# Allegro board AWR1243BOOST-Rev-A.brd (continued)
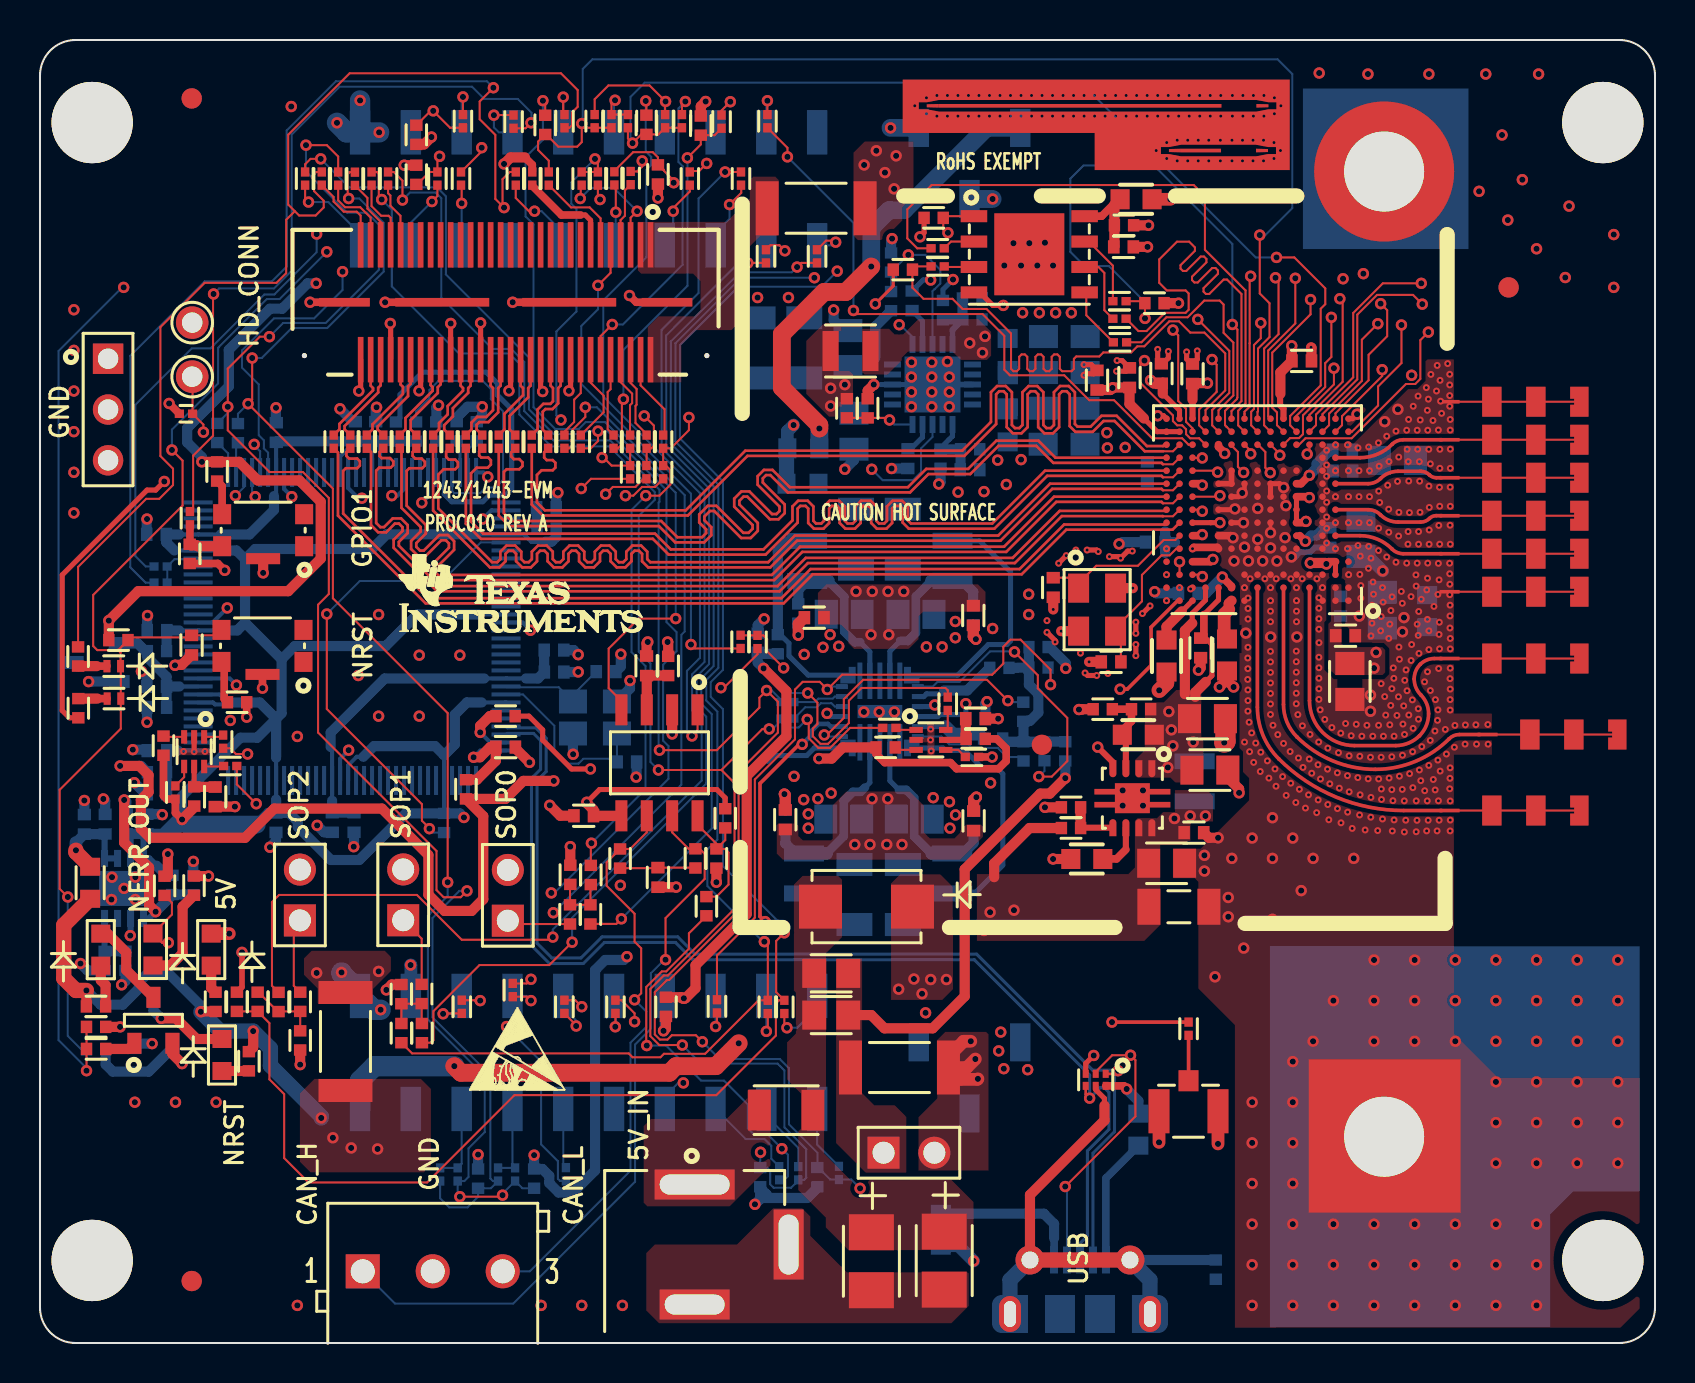
[diagram p0: board, top side]
## Routing (per net, layer and track width the routed paths; a pad name or vN(x,y) marks a point on that pad's centre or on a via; arc(x,y) is an arc through that point) (continued)
AR_SPICLK1: length 44.7
  TOP w0.102: v1(37.19,33.76) 36.37,34.58 36.37,35.19 36.18,35.38 R76.1 35.04,35.38 R75.1 ; U2.R9 60.24,46.45 60.24,46.56 60.5,46.82 60.5,49.99 60.5,49.99 60.5,53.29 v1(60.55,53.34)
  L4 w0.127: v1(37.19,33.76) 36.87,34.07 36.87,37.71 40.33,41.16 41.83,41.16 47.42,46.75 49.24,46.75 54.62,52.12 55.62,52.12 56.84,53.34 v1(60.55,53.34)
AR_SYNC_IN: length 87.2
  TOP w0.102: v1(60.2,43.53) 59.91,43.81 59.91,44.55 59.59,44.87 U2.N10 ; R62.2 26.47,44.74 26.64,44.91 26.64,45.67 27.27,46.3 v1(27.27,46.79)
  L3 w0.127: v1(60.2,43.53) 59.89,43.84 59.89,44.74 59.21,45.42 54.96,45.42 54.22,46.15 48.12,46.15 46.8,44.83 37.36,44.83 34.77,47.42 29.85,47.42 29.44,47.83 28.32,47.83 v1(27.27,46.79)
  L4 w0.127: v1(25.67,21.51) 23.34,19.18 v1(23.34,15.82)
  BOTTOM w0.102: v1(25.67,21.51) 32.07,27.91 32.07,35.41 32.24,35.58 32.24,42.39 27.85,46.79 v1(27.27,46.79) ; v1(23.34,15.82) 23.34,15.8 25.06,14.07 25.06,9.93 25.9,9.09 25.9,8.21 26,8.11 R165.1
AR_SYNC_OUT_SOP1: length 95
  TOP w0.102: v1(57.91,51.18) 59.48,49.61 59.48,47.5 58.62,46.65 58.62,45.88 U2.P11 ; v1(36.23,20.07) 36.4,19.89 R108.2 35.94,17.13 33.26,14.46 31.21,14.46 31.03,14.29 29.64,14.29 29.44,14.48 18.61,14.48 R113.1
  L3 w0.127: v1(57.91,51.18) 57.74,51.35 56.69,51.35 55.64,52.39 55.13,52.39 54.75,52.77 54.75,53.71 51.56,56.91 49.32,56.91 46.27,53.86 43.98,53.86 43.89,53.77 43.01,53.77 42.07,54.71 40.58,54.71 40.13,54.25 39.63,54.25 38.73,53.35 v1(38.73,53.26)
  BOTTOM w0.102: v1(36.23,20.07) 36.16,20.07 33.38,22.85 33.38,24.67 33.88,25.17 33.88,31.57 33.32,32.13 33.32,33.15 33.93,33.76 33.93,42.93 31.78,45.08 31.78,49.98 35.06,53.26 v1(38.73,53.26)
AR_TCK: length 33.2
  TOP w0.102: U2.M13 57.65,44.25 v1(58.13,44.25) ; v1(30.22,46.35) 30.7,45.87 30.7,44.86 30.57,44.74 R66.2 30.34,43.88 R70.1
  L3 w0.127: v1(58.13,44.25) 56.13,44.25 56,44.12 51.56,44.12 50.87,44.81 47.13,44.81 46.91,44.58 37.26,44.58 34.67,47.17 31.03,47.17 v1(30.22,46.35)
AR_TDI: length 51.2
  TOP w0.102: R29.1 R30.1 27.9,59.07 27.8,59.17 27.77,59.17 27.77,59.21 v1(27.76,59.21) ; U2.H13 58.05,41.67 v1(58.13,41.59)
  L3 w0.127: v1(26.05,46.15) 26.05,45.43 27.87,43.61 35.66,43.61 38.4,40.87 51.5,40.87 52.24,41.61 56.86,41.61 56.88,41.59 v1(58.13,41.59)
  BOTTOM w0.102: v1(26.05,46.15) 25.83,46.38 25.83,50.57 26.83,51.58 26.83,56.7 26.57,56.96 26.57,58.02 v1(27.76,59.21)
AR_TDO_SOP0: length 56.6
  TOP w0.102: v1(27.58,24.99) 27.55,24.96 R89.1 ; v1(59.01,42.37) 58.96,42.32 U2.J13 ; v1(30.3,42.37) 30.98,42.37 31.53,42.92 31.53,43.65 31.31,43.87 R71.1 31.17,43.87 R67.2 31.55,44.74 32.45,45.64 v1(32.45,46.28)
  L3 w0.127: v1(32.45,46.28) 33.42,46.28 38.58,41.12 51.12,41.12 52.26,42.26 58.9,42.26 v1(59.01,42.37)
  BOTTOM w0.102: v1(27.58,24.99) 30.28,27.7 30.28,33.84 29.58,34.54 29.58,41.66 v1(30.3,42.37)
AR_TMS: length 38.8
  TOP w0.102: R65.2 R69.1 28.59,43.87 28.19,44.27 v1(28.11,44.27) ; v1(58.9,43.54) 58.82,43.62 U2.L13
  L3 w0.127: v1(28.11,44.27) 29.55,44.27 32.19,46.92 33.27,46.92 38.81,41.38 50.84,41.38 52.2,42.74 56.97,42.74 57.78,43.54 v1(58.9,43.54)
AR_VBGAP: length 2.3
  TOP w0.381: U2.B10 59.59,37.84 v1(59.13,38.3)
  BOTTOM w0.508: C56.2 58.32,37.49 v1(59.13,38.3)
AR_VOUT_PA:
  vias: v1(66.72,33.74) v1(66.82,34.53)
AR_VSENSE: length 62.2
  TOP w0.102: v1(56.99,39.07) U2.C14
  L3 w0.127: v1(56.99,39.07) 56.52,39.54 56.52,40.01 55.46,41.07 52.7,41.07 51.68,40.06 7.98,40.06 5.33,42.71 5.33,47.29 P1.1
AR_WARMRST: length 40.6
  TOP w0.102: v1(55.24,49.12) 55.14,49.12 55.04,49.02 55.04,48.01 56.66,46.38 56.66,46.1 56.87,45.88 57.12,45.88 57.32,45.69 57.32,45.44 57.52,45.24 57.97,45.24 U2.N12 ; R18.1 28.73,58.6 29.67,59.54 30.65,59.54 30.91,59.28 R15.1 31.14,58.67 31.18,58.67 31.21,58.65 31.21,58.6 31.69,58.12 v1(31.69,58.01)
  L3 w0.127: v1(31.69,58.01) 32.73,56.97 32.73,55.77 35.52,52.98 38.09,52.98 38.45,52.63 38.99,52.63 39.26,52.9 41.04,52.9 41.24,53.1 42.56,53.1 43.53,52.13 46.32,52.13 47.39,53.2 52.85,53.2 54.48,51.58 54.48,49.89 v1(55.24,49.12)
AR_XTALM: length 7.8
  TOP w0.102: C9.2 51.42,38.27 Y1.1 51.94,37.98 52.83,38.86 54.91,38.86 56.19,40.15 56.77,40.15 U2.F14
AR_XTALP: length 7.4
  TOP w0.102: C15.2 54.06,35.33 Y1.3 53.79,35.77 55.11,37.08 55.11,38.4 56.09,39.39 56.5,39.39 56.83,39.72 U2.E14
CAN1_RX: length 39.4
  TOP w0.102: U3.4 29.08,32.11 28.44,32.74 28.44,34.72 29.94,36.22 v1(31.79,36.22) ; v1(25.15,62.12) 25.27,62 R12.2
  BOTTOM w0.102: v1(25.15,62.12) 25.15,60.16 24.28,59.29 24.28,56.33 24.68,55.93 24.68,46.79 25.77,45.7 26.95,45.7 27.29,46.04 28.26,46.04 31.79,42.51 v1(31.79,36.22)
CAN1_TX: length 37.4
  TOP w0.102: R11.2 30.33,61.94 30.3,61.98 v1(30.3,62.1) ; v1(32.61,30.35) 32.89,30.63 U3.1
  BOTTOM w0.102: v1(30.3,62.1) 30.3,59.58 30.57,59.31 30.57,58.9 30.33,58.66 30.33,54.28 28.17,52.13 28.17,47.33 33.01,42.49 33.01,34.26 32.35,33.6 32.35,30.61 v1(32.61,30.35)
LDO_01_EN: length 2.7
  TOP w0.305: U4.5 52.06,25.77
  TOP w0.508: 52.06,25.77 R84.2 R83.1
LDO_02_EN: length 9.7
  TOP w0.102: R46.2 40.36,46.26 R47.1 42.38,46.26 v1(42.49,46.15)
  L3 w0.127: v1(42.49,46.15) 42.49,50.43 v1(42.97,50.91)
  BOTTOM w0.102: v1(42.49,46.15) 42.71,45.93 U5.20 ; v1(42.97,50.91) 43.02,50.91 43.64,50.3 U5.6
MCU_3V3: length 78.3
  TOP w0.889: v1(41.57,53.82) 40.3,52.55 39.21,52.55 37.1,50.44 37.1,47.76 38.98,45.89 v1(38.98,45.72) ; v1(34.94,14.99) 33.8,13.84 31.81,13.84 31.48,13.51 21.05,13.51 v1(20.72,13.84)
  L4 w0.889: v1(38.98,45.72) 34.64,41.39 34.64,33.81 35.25,33.2 35.25,30.49 35.48,30.26 35.48,22.25 35.1,21.87 35.1,15.14 34.94,14.99 v1(34.94,14.99)
  BOTTOM w0.889: v1(41.57,53.82) 41.57,55.75 42.46,56.64 43.22,56.64 47.34,60.76 J4.3 ; R130.1 v1(38.98,45.72)
  BOTTOM w1.016: J6.1 16.01,13.12 16.73,13.84 v1(20.72,13.84)
MCU_5V: length 2.9
  BOTTOM w1.016: v1(17.04,16.66) 16.7,16.66 J6.2 16.01,17.55 15.08,18.48 v1(15.08,18.53)
  vias: v1(13.84,18.5) v1(16.94,18.58) v1(47.95,14.61) v1(48.05,15.54) v1(48.2,13.72) v1(49.4,13.67)
MCU_SOP0: length 42.7
  TOP w0.102: R36.1 38.07,54.01 v1(37.87,53.8) ; v1(29.08,21.21) 28.82,20.96 27.54,20.96 R93.2
  BOTTOM w0.102: v1(37.87,53.8) 37.61,53.54 35.01,53.54 31.55,50.08 31.55,44.98 33.69,42.83 33.69,33.85 33.07,33.23 33.07,31.97 33.6,31.45 33.6,25.73 v1(29.08,21.21)
MCU_SOP1: length 51.4
  TOP w0.102: R35.1 35.43,54.01 35.43,54 v1(35.4,54) ; R112.2 19.56,15.02 19.68,15.14 19.68,16.59 21.98,18.9 25.47,18.9 v1(26.61,20.04)
  BOTTOM w0.102: v1(26.61,20.04) 26.61,21.26 33.32,27.97 33.32,31.32 32.84,31.79 32.84,33.33 33.46,33.95 33.46,42.73 31.32,44.87 31.32,50.38 34.94,54 v1(35.4,54)
MCU_SOP2: length 64.6
  TOP w0.102: R32.1 v1(34.26,58.55) ; v1(25.65,20.29) 25.51,20.16 21.09,20.16 18.85,22.4 11.96,22.4 11.6,22.05 11.6,17.86 R101.2
  BOTTOM w0.102: v1(34.26,58.55) 32.94,57.23 32.94,52.5 31.09,50.66 31.09,44.75 33.23,42.6 33.23,34.05 32.61,33.43 32.61,31.62 33.09,31.14 33.09,28.12 25.65,20.68 v1(25.65,20.29)
PGOOD: length 115.6
  TOP w0.381: R27.1 24.62,58.91 24.25,59.28
  TOP w0.508: v1(23.21,58.95) 23.54,59.28 24.25,59.28 ; v1(36.19,33.73) 37.33,32.59 37.33,30.34 35.35,28.35 35.35,21.45 32.79,18.88 32.79,17.74 32.28,17.23 v1(32.2,17.23) 32.13,17.23 32.07,17.29 R107.2
  L3 w0.508: v1(32.2,17.23) 32.13,17.23 31.36,18 25.92,18 24.87,19.04 20.21,19.04 19.42,19.82 11.56,19.82 10.45,18.71 4.47,18.71 4.2,18.97 v1(2.03,18.97) ; v1(23.21,58.95) 26.27,58.95 28.54,61.23 37.69,61.23 38.35,61.89 43.1,61.89 45.26,59.73 v1(45.26,57.35)
  L4 w0.508: v1(45.26,57.35) 46.85,55.76 46.85,52.02 48.47,50.39 48.47,48.44 41.65,41.62 39.57,41.62 35.5,37.55 35.5,34.42 v1(36.19,33.73)
  BOTTOM w0.508: v1(36.19,33.73) 35.89,34.03 R138.2 35.97,34.46 R141.2 ; v1(2.03,18.97) 2.37,18.63 R159.1
PMIC_1V2: length 26.1
  TOP w0.254: U2.R14 56.99,46.64 56.15,47.47 ; U2.P14 U2.P15 55.88,45.57 55.21,46.23
  TOP w0.305: 62.03,47.46 62.02,47.45 62.02,46.89 62.19,46.72 U2.R6
  TOP w0.381: v1(58.13,40.42) 58.08,40.37 U2.F13 ; U2.N11 58.94,44.81 59.25,44.5 v1(59.25,44.48)
  TOP w0.508: 62.03,47.46 62.03,48.53 C3.2 62.61,49.86 v1(62.6,49.86) ; C7.2 53.52,47.65 53.65,47.78 ; 53.65,47.78 53.65,47.75 v1(53.64,47.75) ; 53.65,47.78 C6.2 54.49,46.95 55.21,46.23 ; 56.15,47.47 56.15,48.01 C4.2 55.7,47.98 v1(55.54,48.13)
  BOTTOM w0.254: U8.14 45.9,33.39 47.43,34.92 48.36,34.92 48.54,35.1 48.54,38.56 46.99,40.11 L1.2
  vias: v1(45.92,42.54) v1(47.21,42.57) v1(48.33,42.93)
PMIC_1V8: length 7
  BOTTOM w0.254: 36.39,29.08 36.68,29.38 38.35,29.38 38.72,29.75 U8.1
  BOTTOM w0.508: R120.2 41.78,50.83 41.78,49.25
  vias: v1(39.54,47.74) v1(39.54,46.85) v1(40.25,47.92)
PMIC_2V3: length 17.3
  TOP w0.508: 47.72,23.29 47.72,23.98 49.49,25.75 R84.1
  BOTTOM w0.254: U8.21 45.16,29.75 45.28,29.63 46.25,29.63 47.14,28.74 47.87,28.74 48.15,28.46 48.15,23.89 46.81,22.54 45.85,22.54
  vias: v1(47.21,20.62) v1(47.52,21.54) v1(48.28,20.7) v1(48.71,21.64) v1(56.74,26.23) v1(57.52,26.35) v1(58.29,26.35)
PMIC_CLK: length 44.5
  TOP w0.18: v1(38.12,29.93) 38.04,29.86 37.89,29.86 36.01,27.98 36.01,21.32 v1(36.26,21.07)
  TOP w0.279: v1(10.1,19.53) 10.1,17.79 R97.2
  L3 w0.229: v1(36.26,21.07) 32.2,21.07 29.76,18.63 26.21,18.63 24.79,20.05 21.82,20.05 19.66,22.21 12.57,22.21 10.1,19.74 v1(10.1,19.53)
  BOTTOM w0.229: v1(38.12,29.93) 38.58,30.39 38.58,30.59 38.94,30.95 39.41,30.95 39.54,30.82 U8.3
PMIC_EN: length 34.8
  TOP w0.102: R102.2 33.86,19.37 35.75,21.27 35.75,28.18 37.76,30.18 37.76,32.67 38.14,33.06 39,33.06 v1(39.38,32.68) 40.11,33.41 47.62,33.41 48.18,33.97 48.18,34.81 48.53,35.17 49.04,35.17 50.54,33.67 v1(50.54,32.92)
  BOTTOM w0.102: U8.7 39.52,32.82 v1(39.38,32.68) ; R142.1 50.54,33.65 v1(50.54,32.92)
PMIC_NRST: length 5.8
  BOTTOM w0.102: R150.2 48.99,29.3 48.35,29.3 47.9,29.76 46.62,29.76 46.44,29.93 45.47,29.93 45.08,30.32 U8.20
PMICOUT_3V3: length 10.3
  BOTTOM w0.254: R141.1 37.03,35.42 37.46,34.99 37.46,34.35 38.42,33.39 U8.8
  BOTTOM w0.508: R141.1 36.9,39.59 37.38,40.08 38.1,40.08
PMICVIO_3V3: length 9.6
  BOTTOM w0.102: 48.53,33.76 R143.2
  BOTTOM w0.508: R150.1 48.31,30.06 R147.2 ; R150.1 50.23,30.06 R148.2 51.27,30.07 R149.1 ; R150.1 49.19,31.08 R145.2 49.36,31.08 49.4,31.12 49.52,31.12 49.93,31.52 49.93,32.45 49.46,32.92 R142.2 ; R142.2 R139.2 ; R142.2 48.53,33.76
RX1: length 5.6
  TOP w0.18: U2.M2 66.02,44.27 arc(66.89,44.44) 67.63,44.94 arc(67.88,45.11) 68.17,45.16 70.1,45.16
RX2: length 5.6
  TOP w0.18: U2.K2 66.42,42.97 arc(66.76,43.03) 67.04,43.22 arc(67.44,43.49) 67.92,43.59 69.05,43.59 arc(69.29,43.54) 69.49,43.4 69.49,43.4 arc(69.65,43.3) 69.83,43.26 70.1,43.26
RX3: length 5.6
  TOP w0.18: 70.1,41.37 69.83,41.37 arc(69.65,41.33) 69.49,41.23 69.49,41.23 arc(69.29,41.09) 69.05,41.05 67.92,41.05 arc(67.44,41.14) 67.04,41.41 arc(66.76,41.6) 66.42,41.67 U2.H2
RX4: length 5.6
  TOP w0.18: U2.F2 66.02,40.37 arc(66.89,40.19) 67.63,39.69 67.63,39.69 arc(67.88,39.52) 68.18,39.46 70.11,39.46
SS_CTRL: length 25.7
  L4 w0.127: v1(43.43,54.41) 43.78,54.05 43.78,52.69 41.07,49.97 41.07,46.95 41.6,46.42 v1(41.6,43.69)
  BOTTOM w0.102: v1(41.6,43.69) 42.14,43.14 43.66,43.14 44.06,43.55 44.06,44.73 44.64,45.3 U5.18 ; R120.1 R119.2 42.8,53.78 42.84,53.78 42.84,53.81 42.87,53.84 42.87,53.85 43.43,54.41 v1(43.43,54.41) 44.28,54.41 45.03,53.66 45.03,52.97 44.75,52.69 44.74,52.69 44.64,52.59 U5.8
SW0: length 8.4
  BOTTOM w0.254: U8.10 41.51,34.56 41.03,35.04
  BOTTOM w0.432: 41.03,35.04 40.75,35.04 40.22,35.57 40.22,37.31 39.44,38.1
  BOTTOM w0.508: L2.2 37.92,37.66 R190.2
  BOTTOM w0.635: L2.2 39.44,38.1
SW1: length 9.1
  BOTTOM w0.254: U8.12 42.51,34.59 43.02,35.1
  BOTTOM w0.432: 44.59,38.11 43.81,37.33 43.81,35.51 43.4,35.1 43.02,35.1
  BOTTOM w0.508: L1.1 46.12,38.11 46.67,37.56 R191.2
  BOTTOM w0.635: L1.1 44.59,38.11
SW2: length 9.6
  BOTTOM w0.254: U8.25 41.51,28.02 41.26,27.77
  BOTTOM w0.432: 41.26,27.77 41.05,27.56 40.66,27.56 40.2,27.1 40.2,25.34 39.34,24.48
  BOTTOM w0.508: R192.2 37.28,24.99 37.79,24.48 L4.2
  BOTTOM w0.635: 39.34,24.48 L4.2
SW3: length 9.6
  BOTTOM w0.254: U8.23 42.51,28.11 42.96,27.66
  BOTTOM w0.432: 44.59,24.51 44.54,24.51 43.72,25.33 43.72,27.26 43.32,27.66 42.96,27.66
  BOTTOM w0.508: R193.2 46.69,25 46.17,24.48 L3.1
  BOTTOM w0.635: L3.1 44.62,24.48 44.59,24.51
TX1: length 17.7
  TOP w0.18: U2.B4 63.49,32.12 arc(64.15,30.53) 65.74,29.87 67.8,29.87 arc(68.45,30) 68.99,30.36 arc(69.33,30.87) 69.45,31.46 arc(69.35,31.98) 69.06,32.41 arc(68.81,32.77) 68.73,33.2 arc(68.81,33.6) 69.03,33.93 arc(69.35,34.15) 69.73,34.22 70.11,34.22
TX2: length 17.7
  TOP w0.18: 72.01,30.42 70.99,30.42 arc(70.71,30.37) 70.48,30.21 70.48,30.21 arc(68.78,29.08) 66.78,28.68 arc(64.66,29.1) 62.86,30.31 62.86,30.31 arc(62.37,31.05) 62.19,31.92 U2.B6
TX3: length 17.7
  TOP w0.18: 70.11,26.62 68.2,26.62 arc(64.82,27.3) 61.95,29.21 arc(61.16,30.39) 60.89,31.79 60.89,37.76 U2.B8
UNNAMED_2_AR1243PRELIMINARY_I28: length 65.5
  TOP w0.102: v1(8.17,45.54) 8.17,45.92 C8.2 7.63,48.3 TP2.1
  TOP w0.254: U2.G13 58.55,41.02 58.55,41.02 v1(59.01,41.02)
  L3 w0.127: v1(8.17,45.54) 6.59,45.54 5.58,44.54 5.58,42.81 8.06,40.34 51.53,40.34 52.52,41.33 56.15,41.33 57.7,39.78 58.39,39.78 59.01,40.4 v1(59.01,41.02)
UNNAMED_4_CAPNONPOLARIZED_I52_2: length 2.4
  TOP w0.305: U4.6 54.31,24.67
  TOP w0.381: C22.2 53.16,24.21 53.84,24.21 54.31,24.67
UNNAMED_4_CAPNONPOLARIZED_I53_1: length 4.2
  TOP w0.305: U4.3 54.31,30.24 C18.1
  TOP w0.381: R81.2 54.59,31.69 R82.1 54.59,31.09 54.13,30.63 C18.1
UNNAMED_6_1280711201_I42_S: length 2.3
  TOP w0.18: J2.S 57.44,13.12 R111.2
UNNAMED_6_QSH03001XD_I1_4: length 4.3
  TOP w0.102: J1.4 30.04,47.88 31.24,46.69 31.24,45.46 R67.1
UNNAMED_6_QSH03001XD_I1_5: length 6.1
  TOP w0.102: R29.2 27.04,57.85 27.04,57.25 27.02,57.25 v1(27.02,57.23) ; v1(29.86,56.59) 29.54,56.26 J1.5
  BOTTOM w0.102: v1(27.02,57.23) 27.55,57.76 28.7,57.76 v1(29.86,56.59)
UNNAMED_6_QSH03001XD_I1_6: length 4.2
  TOP w0.102: R66.1 30.34,45.45 29.78,46 29.78,46.86 29.84,46.91 29.84,47.7 29.54,48 J1.6
UNNAMED_6_QSH03001XD_I1_7: length 3.2
  TOP w0.102: J1.7 29.04,56.14 29.25,56.36 29.25,57.63 R17.2
UNNAMED_6_QSH03001XD_I1_8: length 4.1
  TOP w0.102: R65.1 29.51,45.4 29.51,46.89 29.62,47 29.62,47.47 29.04,48.05 J1.8
UNNAMED_6_QSH03001XD_I1_9: length 25.4
  TOP w0.102: v1(32.56,34.92) 32.75,34.73 R75.2 ; J1.9 28.54,53.51 v1(27.91,52.88)
  BOTTOM w0.102: v1(32.56,34.92) 32.56,42.47 27.07,47.96 27.07,50.85 27.91,51.69 v1(27.91,52.88)
UNNAMED_6_QSH03001XD_I1_10: length 4
  TOP w0.102: R64.1 28.39,45.69 28.39,47.55 28.54,47.69 J1.10
UNNAMED_6_QSH03001XD_I1_11: length 4.6
  TOP w0.102: J1.11 28.04,56.23 27.49,56.78 26.56,56.78 R28.2
UNNAMED_6_QSH03001XD_I1_12: length 15.9
  TOP w0.102: v1(32.28,62.08) 32.11,61.91 R7.1 ; J1.12 28.04,50.34 v1(28.62,50.93)
  BOTTOM w0.102: v1(28.62,50.93) 29.15,50.93 32.14,53.92 32.14,58.84 31.93,59.05 31.93,61.73 v1(32.28,62.08)
UNNAMED_6_QSH03001XD_I1_13: length 4.9
  TOP w0.254: J1.13 27.54,56.14 27.27,56.4 27.04,56.4
  TOP w0.381: 27.04,56.4 26.08,56.4 24.62,57.86 R27.2
UNNAMED_6_QSH03001XD_I1_14: length 4.5
  TOP w0.102: R63.1 28.19,46.54 28.19,47.37 27.54,48.02 J1.14
UNNAMED_6_QSH03001XD_I1_16: length 4.1
  TOP w0.102: J1.16 27.04,49.16 27.04,47.5 26.71,47.17 26.71,46.05 26.23,45.56 R62.1
UNNAMED_6_QSH03001XD_I1_20: length 4.5
  TOP w0.132: R61.1 25.14,45.66 25.14,46.57 25.28,46.7 25.63,46.7 25.92,46.98 25.92,47.75 26.04,47.87 J1.20
UNNAMED_6_QSH03001XD_I1_22: length 4.5
  TOP w0.132: J1.22 25.54,47.87 25.66,47.75 25.66,47.09 25.52,46.96 25.17,46.96 24.89,46.67 24.89,45.69 R60.1
UNNAMED_6_QSH03001XD_I1_26: length 4.3
  TOP w0.132: R59.1 23.49,45.68 23.49,46.35 24.42,47.28 24.42,47.75 24.54,47.87 J1.26
UNNAMED_6_QSH03001XD_I1_28: length 4.3
  TOP w0.132: R58.1 23.23,45.68 23.23,46.46 24.16,47.39 24.16,47.75 24.04,47.87 J1.28
UNNAMED_6_QSH03001XD_I1_32: length 4.7
  TOP w0.132: R57.1 21.84,45.68 21.84,45.91 21.97,46.05 22.43,46.05 22.92,46.53 22.92,47.75 23.04,47.87 J1.32
UNNAMED_6_QSH03001XD_I1_34: length 4.7
  TOP w0.132: J1.34 22.54,47.87 22.66,47.75 22.66,46.64 22.32,46.3 21.86,46.3 21.58,46.02 21.58,45.68 R56.1
UNNAMED_6_QSH03001XD_I1_38: length 4.4
  TOP w0.132: R55.1 20.22,45.67 20.22,45.89 20.65,46.32 20.65,46.74 21.42,47.51 21.42,47.75 21.54,47.87 J1.38
UNNAMED_6_QSH03001XD_I1_40: length 4.4
  TOP w0.132: R54.1 19.96,45.69 19.96,46 20.39,46.43 20.39,46.85 21.16,47.62 21.16,47.75 21.04,47.87 J1.40
UNNAMED_6_QSH03001XD_I1_44: length 4.5
  TOP w0.132: R53.1 18.54,45.68 18.54,46.14 19.9,47.5 19.9,47.79 20.04,47.93 J1.44
UNNAMED_6_QSH03001XD_I1_46: length 4.5
  TOP w0.132: R52.1 18.28,45.68 18.28,46.25 19.64,47.61 19.64,47.79 19.54,47.89 J1.46
UNNAMED_6_QSH03001XD_I1_50: length 4.6
  TOP w0.132: J1.50 18.54,47.96 18.41,47.83 18.41,47.35 16.89,45.82 16.89,45.68 R51.1
UNNAMED_6_QSH03001XD_I1_51: length 3.2
  TOP w0.102: R23.2 17.41,57.49 17.52,57.37 17.52,56.87 18.03,56.36 18.03,54.92 J1.51
UNNAMED_6_QSH03001XD_I1_52: length 4.6
  TOP w0.132: J1.52 18.04,47.92 18.15,47.81 18.15,47.45 16.63,45.93 16.63,45.68 R50.1
UNNAMED_6_QSH03001XD_I1_53: length 3.6
  TOP w0.102: J1.53 17.54,56.26 17.44,56.36 17.06,56.36 16.58,56.84 R22.2
UNNAMED_6_QSH03001XD_I1_55: length 3.5
  TOP w0.102: R33.2 16.38,57.26 16.38,56.72 17.04,56.06 J1.55
UNNAMED_6_QSH03001XD_I1_56: length 4.6
  TOP w0.132: J1.56 17.04,47.88 16.92,47.76 16.92,47.53 15.23,45.85 15.23,45.68 R49.1
UNNAMED_6_QSH03001XD_I1_57: length 4.1
  TOP w0.102: R21.2 14.91,57.13 15.26,56.79 16.02,56.79 16.54,56.27 J1.57
UNNAMED_6_QSH03001XD_I1_58: length 4.6
  TOP w0.132: R48.1 14.98,45.68 14.98,45.96 16.66,47.64 16.66,47.75 16.54,47.87 J1.58
UNNAMED_6_QSH03001XD_I1_59: length 4.2
  TOP w0.102: J1.59 16.04,56.37 15.84,56.57 15.19,56.57 14.68,57.07 14.68,57.3 R20.2
UNNAMED_9_BSS123_I134_D: length 4.5
  TOP w0.508: DS3.C 3.38,20.47 4.31,19.53 4.31,18.65 Q1.3
UNNAMED_9_BSS123_I134_G: length 1.6
  TOP w0.508: Q1.1 4.44,14.7 R116.2
UNNAMED_9_BSS123_I147_D: length 4.7
  TOP w0.508: DS4.C 7.83,15.2 6.8,16.23 v1(6.06,16.23)
  BOTTOM w0.508: v1(6.06,16.23) 5.67,16.62 Q2.3
UNNAMED_9_BSS123_I147_G: length 5
  BOTTOM w0.508: R160.2 3.29,13.93 3.64,13.57 5.44,13.57 6.62,14.76 Q2.1
UNNAMED_9_DIODESCHOTTKY_I159_C: length 1.4
  TOP w0.381: 2.84,33.84 D1.C
  TOP w0.508: R77.2 2.84,33.84
UNNAMED_9_DIODESCHOTTKY_I160_C: length 1.4
  TOP w0.381: 2.87,32.22 D2.C
  TOP w0.508: R80.2 2.87,32.22
UNNAMED_9_KMR2XXG_I138_2: length 2.1
  TOP w0.381: SW2.2 9.21,33.92 9.21,32.2 R79.2
UNNAMED_9_KMR2XXG_I141_2: length 2.6
  TOP w0.381: R73.2 7.5,39.95 R72.1
  TOP w0.508: SW1.2 7.88,39.84 7.84,39.88 7.54,39.88 R73.2
UNNAMED_9_KMR2XXG_I141_4: length 1.8
  TOP w0.381: SW1.4 9.11,42.85 R68.1
UNNAMED_9_LEDS_I102_A: length 1.4
  TOP w0.508: R100.1 8.56,17.76 DS2.A
UNNAMED_9_LEDS_I105_A: length 4.9
  TOP w0.508: R90.1 7.13,21.82 7.13,19.48 6.52,18.88 DS1.A
UNNAMED_9_LEDS_I135_A: length 2.1
  TOP w0.508: R103.1 3.28,17.9 3.04,18.13 DS3.A
UNNAMED_9_LEDS_I146_A: length 1.3
  TOP w0.508: DS4.A 10.44,13.6 R117.1
UNNAMED_10_RESISTOR_I30_2: length 3.5
  TOP w0.102: R98.2 10.93,17.54 11.89,16.57 R101.1 11.94,16.58 R99.1 13.01,15.61 R114.2
UNNAMED_10_RESISTOR_I33_2: length 3.8
  TOP w0.102: P3.1 12.69,20.83 12.69,17.86 R99.2
UNNAMED_10_RESISTOR_I35_1: length 3
  TOP w0.102: R113.2 18.07,15.98 R96.2 19.08,16.96 R95.1 19.09,15.99 R112.1
UNNAMED_10_RESISTOR_I36_2: length 3.6
  TOP w0.102: P2.1 19.09,20.22 R95.2
UNNAMED_10_RESISTOR_I39_1: length 3.1
  TOP w0.102: R89.2 27.53,22.9 R93.1 R92.1 26.51,22.92 R88.2
UNNAMED_10_RESISTOR_I39_2: length 3.2
  TOP w0.102: R92.2 23.56,20.95 P4.1
UNNAMED_15_RESISTOR_I43_1: length 2.2
  TOP w0.102: R102.1 33.86,15.89 v1(33.79,15.82)
  BOTTOM w0.102: J6.16 v1(33.79,15.82)
UNNAMED_15_RESISTOR_I44_2: length 3.9
  BOTTOM w0.102: R169.2 R168.2 21.09,8.96 J6.5
UNNAMED_15_RESISTOR_I45_2: length 3.8
  BOTTOM w0.102: 23.73,8.76 R167.2 ; 23.73,8.76 R166.2 ; 23.73,8.76 23.63,8.86 J6.7
UNNAMED_15_RESISTOR_I46_2: length 3
  BOTTOM w0.102: J6.9 26.17,8.9 R165.2
UNNAMED_15_RESISTOR_I47_2: length 25.6
  TOP w0.102: v1(34.06,32.77) 34.21,32.77 35.88,34.44 R76.2
  L4 w0.127: v1(34.06,32.77) 34.61,32.21 34.61,22.83 34.42,22.65 34.42,15.37 32.18,13.12 v1(32.18,13)
  BOTTOM w0.102: J6.13 31.25,12.33 31.92,13 v1(32.18,13)
UNNAMED_15_RESISTOR_I48_2: length 4.8
  BOTTOM w0.102: R164.2 36.57,9.22 36.57,9.86 36.24,10.2 35.29,10.2 J6.15
UNNAMED_15_RESISTOR_I49_2: length 3.5
  BOTTOM w0.102: R163.2 37.92,9.76 36.33,11.35 J6.17
UNNAMED_15_RESISTOR_I50_2: length 3.3
  BOTTOM w0.102: J6.19 38.87,9.92 R162.2
UNNAMED_15_RESISTOR_I51_2: length 4.7
  TOP w0.102: v1(13.43,57.05) 13.26,57.22 R19.2
  BOTTOM w0.102: v1(13.43,57.05) 14.42,57.05 16.01,55.46 J5.1
UNNAMED_15_RESISTOR_I52_2: length 3.6
  TOP w0.102: v1(19.6,57.07) 19.88,57.35 R24.2
  BOTTOM w0.102: v1(19.6,57.07) 18.55,56.02 J5.3
UNNAMED_15_RESISTOR_I53_2: length 3
  TOP w0.102: v1(21.09,56.98) 21.09,57.86 R25.2
  BOTTOM w0.102: J5.5 v1(21.09,56.98)
UNNAMED_15_RESISTOR_I54_2: length 4.4
  TOP w0.102: v1(24.73,56.59) 24.67,56.52 24.52,56.52 23.79,57.25 23.79,57.89 R26.2
  BOTTOM w0.102: J5.9 26.17,55.51 25.09,56.59 v1(24.73,56.59)
UNNAMED_15_RESISTOR_I55_2: length 3.6
  TOP w0.102: R31.2 32.5,57.58 31.59,56.67 31.59,56.59 v1(31.67,56.59)
  BOTTOM w0.102: v1(31.67,56.59) 31.67,55.96 31.25,55.54 J5.13
UNNAMED_15_RESISTOR_I56_2: length 3.1
  TOP w0.102: R18.2 28.8,57.83 v1(28.8,56.54)
  BOTTOM w0.102: J5.11 28.8,54.97 v1(28.8,56.54)
UNNAMED_15_RESISTOR_I57_2: length 2.2
  TOP w0.102: R35.2 36.53,54.89 36.98,54.89 v1(37.26,54.61)
  BOTTOM w0.102: J5.17 36.98,54.88 v1(37.26,54.61)
UNNAMED_15_RESISTOR_I58_2: length 2.1
  TOP w0.102: v1(39.8,55.04) 39.72,55.12 39.31,55.12 R36.2
  BOTTOM w0.102: v1(39.8,55.04) 39.64,54.88 J5.19
UNNAMED_15_RESISTOR_I59_2: length 3.5
  TOP w0.102: R32.2 35.07,57.88 35.07,57.51 v1(34.49,56.92)
  BOTTOM w0.102: v1(34.49,56.92) 34.49,56.21 33.79,55.51 J5.15
UNNAMED_15_RESISTOR_I60_1: length 2.6
  TOP w0.102: v1(22.7,61.39) 22.75,61.39 22.75,61.4 R9.1
  BOTTOM w0.102: v1(22.7,61.39) 22.7,60.78 22.95,60.53 J5.8
UNNAMED_15_RESISTOR_I61_1: length 2.7
  TOP w0.102: v1(26.17,62.29) 26.17,61.49 R2.1
  BOTTOM w0.102: J5.10 v1(26.17,62.29)
UNNAMED_15_RESISTOR_I62_1: length 2.7
  TOP w0.102: R1.1 v1(21.15,62.3)
  BOTTOM w0.102: v1(21.15,62.3) 21.09,62.24 J5.6
UNNAMED_15_RESISTOR_I63_1: length 7.2
  TOP w0.102: R3.1 27.74,62.19 28.43,62.88 30.49,62.88 v1(31.29,62.08) 31.26,62.05 R6.1
  BOTTOM w0.102: v1(31.29,62.08) 31.25,62.04 J5.14
UNNAMED_15_RESISTOR_I64_1: length 2.7
  TOP w0.102: R10.1 34.09,61.63 v1(34.53,62.06)
  BOTTOM w0.102: v1(34.53,62.06) 33.79,61.33 J5.16
UNNAMED_15_RESISTOR_I65_1: length 3.2
  TOP w0.102: v1(28.76,62.14) 28.58,61.96 R4.1 R5.1
  BOTTOM w0.102: J5.12 28.71,62.09 v1(28.76,62.14)
UNNAMED_15_RESISTOR_I66_1: length 2.3
  TOP w0.102: R8.1 v1(36.38,62.11)
  BOTTOM w0.102: v1(36.38,62.11) 36.33,62.06 J5.18
UNNAMED_15_RESISTOR_I67_1: length 2.7
  TOP w0.102: R104.1 20.36,16.48 20.36,16.46 v1(20.16,16.46)
  BOTTOM w0.102: J6.6 21.09,16.62 20.92,16.46 v1(20.16,16.46)
UNNAMED_15_RESISTOR_I68_1: length 2
  TOP w0.102: v1(24.56,17.12) 24.36,17.32 R94.1
  BOTTOM w0.102: J6.8 24.32,17.35 v1(24.56,17.12)
UNNAMED_15_RESISTOR_I69_1: length 2.7
  TOP w0.102: v1(26.82,15.85) 26.82,15.88 26.78,15.88 26.78,15.92 R105.1
  BOTTOM w0.102: J6.10 26.17,16.78 26.82,16.13 v1(26.82,15.85)
UNNAMED_15_RESISTOR_I70_1: length 2.3
  TOP w0.102: R106.1 28.78,15.82 v1(28.77,15.81)
  BOTTOM w0.102: J6.12 28.71,16.5 28.8,16.41 28.8,15.84 v1(28.77,15.81)
UNNAMED_15_RESISTOR_I97_1: length 2.7
  TOP w0.102: v1(36.33,15.58) 36.4,15.66 R108.1
  BOTTOM w0.102: J6.18 v1(36.33,15.58)
UNNAMED_15_RESISTOR_I98_1: length 3.3
  TOP w0.102: R109.1 37.23,15.86 37.33,15.76 v1(37.36,15.76)
  BOTTOM w0.102: v1(37.36,15.76) 37.87,15.76 38.87,16.76 J6.20
UNNAMED_15_RESISTOR_I103_1: length 2.5
  TOP w0.508: v1(31.18,15.61) 31.31,15.73 R107.1
  BOTTOM w0.508: v1(31.18,15.61) 31.25,15.67 J6.14
UNNAMED_17_CAPNONPOLARIZED_I130: length 3.5
  BOTTOM w0.279: U5.10 45.64,50.66
  BOTTOM w0.305: 45.64,50.66 R122.1
  BOTTOM w0.508: R121.2 45.17,51.18 R122.1 46.14,51.2 C28.1
UNNAMED_17_CAPNONPOLARIZED_I131: length 1.9
  BOTTOM w0.254: C29.2 44.14,51.1 U5.7
UNNAMED_17_CAPNONPOLARIZED_I132: length 1.6
  BOTTOM w0.254: C44.2 43.56,44.71 44.14,45.29 U5.19
UNNAMED_17_CAPNONPOLARIZED_I133: length 3.7
  BOTTOM w0.254: 46.04,43.68 C46.1 ; U5.16 45.64,45.34 45.46,45.16 45.45,45.16 44.99,44.7 R132.2 44.98,44.69
  BOTTOM w0.508: 46.04,43.68 R131.1 44.98,44.69
UNNAMED_22_CAPNONPOLARIZED_I63_: length 4.2
  TOP w0.381: 53.74,56.9 53.66,56.9 53.1,56.34 U1.8
  TOP w0.508: C2.2 53.74,54.84 R37.1 53.74,56.9 C1.2
UNNAMED_22_RESISTOR_I116_2: length 1.4
  TOP w0.102: R42.2 45.25,53.8 U1.3
UNNAMED_22_RESISTOR_I117_1: length 3.5
  TOP w0.102: U1.6 52.94,53.8 53.23,53.51 53.23,51.64 R44.1
UNNAMED_22_RESISTOR_I118_1: length 3.1
  TOP w0.102: R45.1 52.33,51.39 U1.5
UNNAMED_22_RESISTOR_I119_2: length 1.5
  TOP w0.102: R39.2 45.56,55.07 U1.2